# Altium PCB Digitalizador_RPi.PcbDoc (part 3 of 3) (continued)
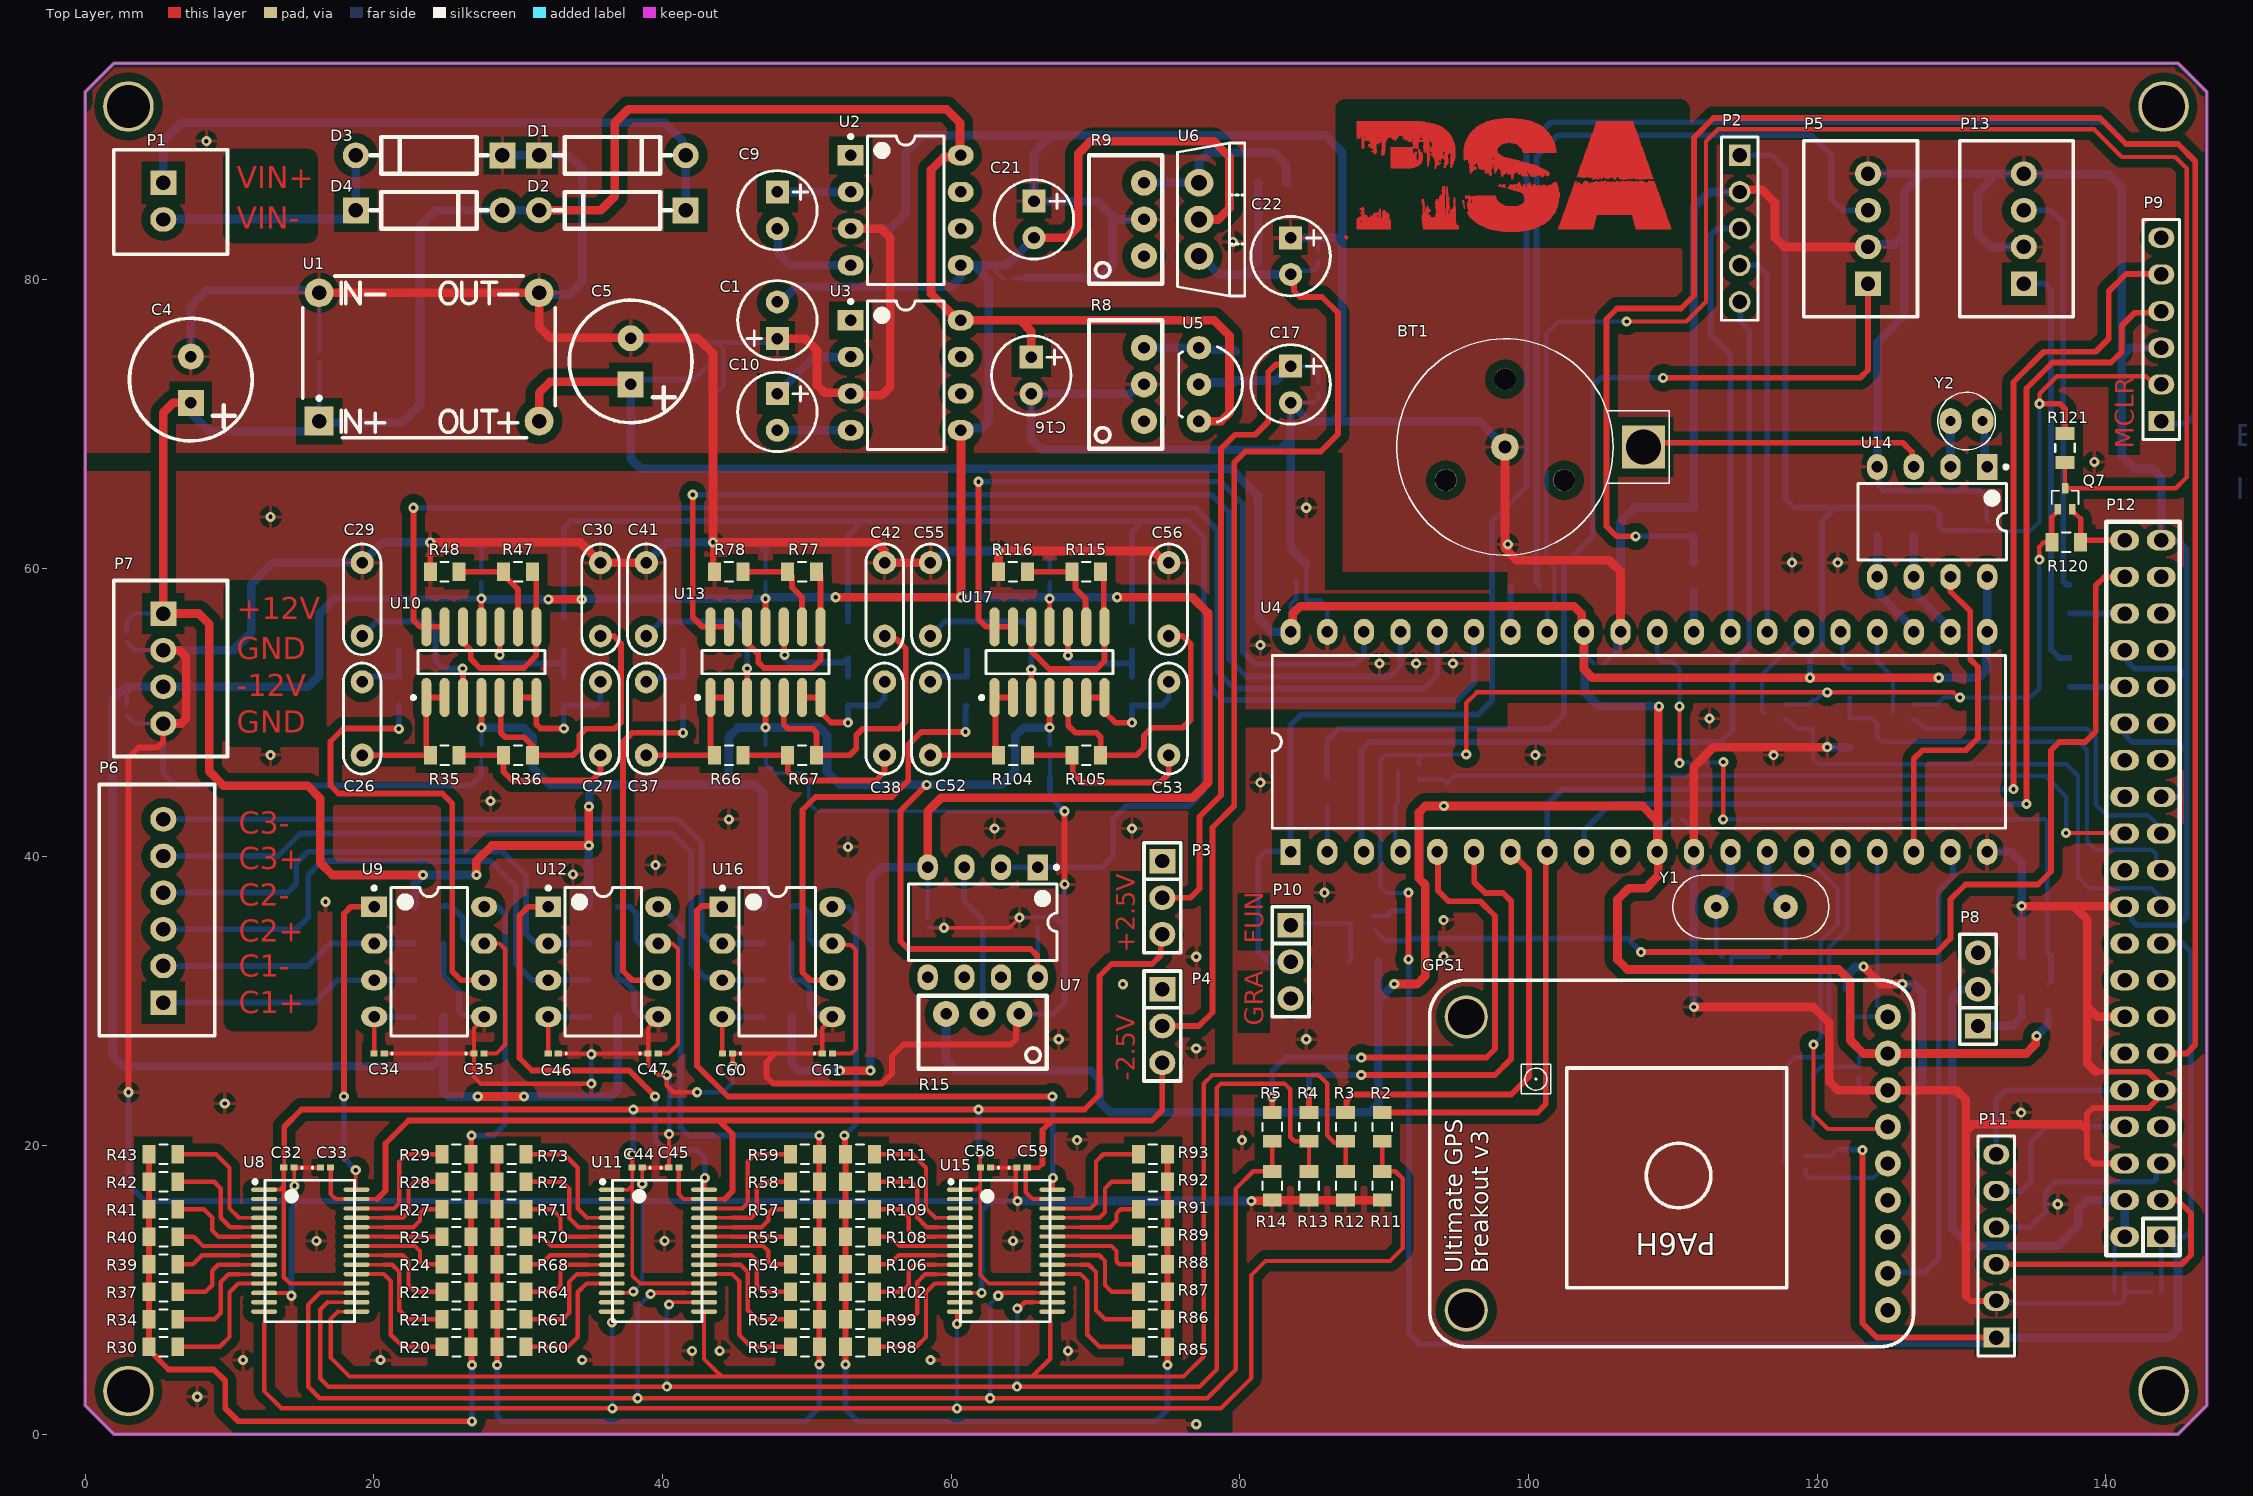
[diagram p0: Top Layer view]
## Nets (pads, with @x,y where several pads share a name; then routed paths per layer and width w, separated by ;. In a path a pad name is that pad's centre, name@x,y a point inside that pad or via, vN(x,y) a via of type N, cw(c..) or ccw(c..) an arc to the next point about the centre after c; other vN are vias at no path point) (continued)
94.303,85.783 94.455,85.783 ; 94.303,85.821 94.455,85.821 ; 94.303,85.859 94.455,85.859 ; 94.303,85.897 94.455,85.897 ; 94.303,86.278 94.417,86.278 ; 94.303,86.316 94.417,86.316 ; 94.303,86.354 94.379,86.354 ; 94.341,86.392 94.379,86.392 ; 94.341,86.431 94.379,86.431 ; 94.341,86.469 94.379,86.469 ; 94.341,87.993 94.379,87.993 ; 94.531,84.64 94.951,84.64 ; 94.531,84.678 94.951,84.678 ; 94.531,84.716 94.951,84.716 ; 94.531,84.754 94.951,84.754 ; 94.57,84.526 94.951,84.526 ; 94.57,84.564 94.951,84.564 ; 94.57,84.602 94.951,84.602 ; 94.57,84.792 94.951,84.792 ; 94.57,84.83 94.951,84.83 ; 94.57,87.878 94.722,87.878 ; 94.57,87.916 94.722,87.916 ; 94.57,88.069 94.798,88.069 ; 94.57,88.183 94.836,88.183 ; 94.57,88.221 94.836,88.221 ; 94.57,88.374 94.874,88.374 ; 94.57,88.412 94.912,88.412 ; 94.57,88.45 94.912,88.45 ; 94.57,88.793 94.912,88.793 ; 94.608,87.764 94.646,87.764 ; 94.608,87.802 94.684,87.802 ; 94.608,87.84 94.722,87.84 ; 94.608,87.955 94.76,87.955 ; 94.608,87.993 94.76,87.993 ; 94.608,88.031 94.798,88.031 ; 94.608,88.107 94.836,88.107 ; 94.608,88.145 94.836,88.145 ; 94.608,88.259 94.874,88.259 ; 94.608,88.297 94.874,88.297 ; 94.608,88.336 94.874,88.336 ; 94.608,88.488 94.912,88.488 ; 94.608,88.526 94.76,88.526 ; 94.608,88.564 94.722,88.564 ; 94.608,88.602 94.76,88.602 ; 94.608,88.64 94.76,88.64 ; 94.608,88.678 94.76,88.678 ; 94.608,88.717 94.798,88.717 ; 94.608,88.755 94.912,88.755 ; 94.646,84.868 94.951,84.868 ; 94.722,84.907 94.951,84.907 ; 94.76,84.945 94.951,84.945 ; 94.76,84.983 94.951,84.983 ; 94.798,85.021 94.951,85.021 ; 94.798,85.059 94.912,85.059 ; 94.798,85.44 94.912,85.44 ; 94.798,88.526 94.912,88.526 ; 94.798,88.564 94.912,88.564 ; 94.798,88.602 94.912,88.602 ; 94.798,88.64 94.912,88.64 ; 94.836,85.097 94.912,85.097 ; 94.836,85.135 94.912,85.135 ; 94.836,85.173 94.912,85.173 ; 94.836,85.211 94.912,85.211 ; 94.836,85.249 94.912,85.249 ; 94.836,85.288 94.912,85.288 ; 94.836,85.326 94.912,85.326 ; 94.836,85.364 94.912,85.364 ; 94.836,85.402 94.912,85.402 ; 94.836,85.478 94.912,85.478 ; 94.836,85.516 94.912,85.516 ; 94.836,85.554 94.912,85.554 ; 94.836,85.592 94.912,85.592 ; 94.836,85.63 94.912,85.63 ; 94.836,85.669 94.912,85.669 ; 94.836,88.678 94.912,88.678 ; 94.836,88.717 94.912,88.717 ; 95.408,85.402 95.56,85.402 ; 95.408,85.44 95.522,85.44 ; 95.408,85.478 95.522,85.478 ; 95.408,85.516 95.522,85.516 ; 95.446,85.288 95.56,85.288 ; 95.446,85.326 95.56,85.326 ; 95.446,85.364 95.56,85.364 ; 95.484,85.173 95.56,85.173 ; 95.484,85.211 95.56,85.211 ; 95.484,85.249 95.56,85.249 ; 95.522,85.021 95.598,85.021 ; 95.522,85.059 95.598,85.059 ; 95.522,85.097 95.598,85.097 ; 95.522,85.135 95.56,85.135 ; 95.522,88.374 95.827,88.374 ; 95.522,88.412 95.827,88.412 ; 95.522,88.45 96.208,88.45 ; 95.522,88.488 96.208,88.488 ; 95.522,88.526 98.303,88.526 ; 95.522,88.564 98.227,88.564 ; 95.522,88.602 98.113,88.602 ; 95.522,88.64 95.827,88.64 ; 95.522,88.678 97.999,88.678 ; 95.522,88.717 97.96,88.717 ; 95.522,88.755 97.922,88.755 ; 95.522,88.793 97.884,88.793 ; 95.522,88.831 97.884,88.831 ; 95.522,88.869 97.846,88.869 ; 95.522,88.907 97.846,88.907 ; 95.522,88.945 97.846,88.945 ; 95.522,88.983 97.846,88.983 ; 95.522,89.021 97.846,89.021 ; 95.522,89.059 97.846,89.059 ; 95.522,89.098 97.884,89.098 ; 95.56,84.945 95.598,84.945 ; 95.56,84.983 95.598,84.983 ; 95.56,88.259 95.598,88.259 ; 95.56,88.297 95.598,88.297 ; 95.56,88.336 95.751,88.336 ; 95.56,89.136 97.884,89.136 ; 95.56,89.174 97.884,89.174 ; 95.56,89.212 97.922,89.212 ; 95.56,89.25 97.96,89.25 ; 95.56,89.288 97.999,89.288 ; 95.598,89.326 98.037,89.326 ; 95.598,89.364 98.113,89.364 ; 95.598,89.402 98.189,89.402 ; 95.598,89.44 98.303,89.44 ; 95.636,85.669 95.751,85.669 ; 95.636,85.707 97.732,85.707 ; 95.636,85.745 97.732,85.745 ; 95.636,85.783 95.979,85.783 ; 95.636,85.821 95.979,85.821 ; 95.636,89.479 98.532,89.479 ; 95.636,89.517 101.77,89.517 ; 95.636,89.555 101.77,89.555 ; 95.674,85.63 95.713,85.63 ; 95.674,89.593 101.732,89.593 ; 95.674,89.631 101.732,89.631 ; 95.713,84.678 95.751,84.678 ; 95.713,89.669 101.694,89.669 ; 95.713,89.707 101.694,89.707 ; 95.713,89.745 101.656,89.745 ; 95.751,84.64 101.809,84.64 ; 95.751,85.059 101.999,85.059 ; 95.751,85.097 102.037,85.097 ; 95.751,85.135 98.456,85.135 ; 95.751,85.173 98.303,85.173 ; 95.751,85.211 98.189,85.211 ; 95.751,85.249 98.113,85.249 ; 95.751,85.288 98.075,85.288 ; 95.751,85.326 96.017,85.326 ; 95.751,89.783 101.656,89.783 ; 95.751,89.821 101.618,89.821 ; 95.789,84.602 101.77,84.602 ; 95.789,84.945 101.961,84.945 ; 95.789,84.983 101.961,84.983 ; 95.789,85.021 101.999,85.021 ; 95.789,85.364 96.017,85.364 ; 95.789,89.86 101.618,89.86 ; 95.827,84.526 101.732,84.526 ; 95.827,84.564 101.77,84.564 ; 95.827,84.678 101.847,84.678 ; 95.827,84.716 101.847,84.716 ; 95.827,84.754 101.885,84.754 ; 95.827,84.792 101.885,84.792 ; 95.827,84.83 101.923,84.83 ; 95.827,84.868 101.923,84.868 ; 95.827,84.907 101.923,84.907 ; 95.827,85.402 96.017,85.402 ; 95.827,85.44 96.017,85.44 ; 95.827,85.478 96.017,85.478 ; 95.827,85.516 96.017,85.516 ; 95.827,85.554 96.017,85.554 ; 95.827,85.592 97.808,85.592 ; 95.827,85.63 97.77,85.63 ; 95.827,85.669 97.77,85.669 ; 95.827,88.183 99.637,88.183 ; 95.827,88.221 99.446,88.221 ; 95.827,88.259 96.208,88.259 ; 95.827,88.297 96.208,88.297 ; 95.827,89.898 101.58,89.898 ; 95.827,89.936 101.58,89.936 ; 95.865,84.449 101.694,84.449 ; 95.865,84.487 101.694,84.487 ; 95.865,88.107 96.398,88.107 ; 95.865,88.145 96.398,88.145 ; 95.865,88.336 96.208,88.336 ; 95.865,88.374 96.208,88.374 ; 95.865,88.412 96.208,88.412 ; 95.865,88.64 98.037,88.64 ; 95.865,89.974 101.542,89.974 ; 95.865,90.012 101.504,90.012 ; 95.903,84.411 101.656,84.411 ; 95.903,87.802 96.208,87.802 ; 95.903,87.84 96.208,87.84 ; 95.903,88.031 96.36,88.031 ; 95.903,88.069 96.36,88.069 ; 95.903,90.05 101.466,90.05 ; 95.941,84.373 101.618,84.373 ; 95.941,87.497 96.094,87.497 ; 95.941,87.535 96.132,87.535 ; 95.941,87.574 96.17,87.574 ; 95.941,87.612 96.208,87.612 ; 95.941,87.65 96.398,87.65 ; 95.941,87.688 96.398,87.688 ; 95.941,87.726 96.398,87.726 ; 95.941,87.764 96.398,87.764 ; 95.941,87.878 96.208,87.878 ; 95.941,87.916 96.208,87.916 ; 95.941,87.955 96.208,87.955 ; 95.941,87.993 96.284,87.993 ; 95.941,90.088 101.466,90.088 ; 95.941,90.126 101.428,90.126 ; 95.979,84.335 101.58,84.335 ; 95.979,87.421 96.055,87.421 ; 95.979,87.459 96.055,87.459 ; 95.979,90.164 101.428,90.164 ; 96.017,84.297 101.542,84.297 ; 96.017,90.202 101.389,90.202 ; 96.055,84.259 101.542,84.259 ; 96.055,85.326 97.999,85.326 ; 96.055,85.364 97.96,85.364 ; 96.055,85.516 97.846,85.516 ; 96.055,85.554 97.808,85.554 ; 96.055,90.241 101.351,90.241 ; 96.094,84.221 101.504,84.221 ; 96.094,85.402 97.922,85.402 ; 96.094,85.44 97.884,85.44 ; 96.094,85.478 97.884,85.478 ; 96.094,85.783 97.732,85.783 ; 96.094,90.279 101.313,90.279 ; 96.094,90.317 101.275,90.317 ; 96.132,84.183 101.428,84.183 ; 96.132,90.355 101.237,90.355 ; 96.17,84.145 101.428,84.145 ; 96.208,84.106 101.389,84.106 ; 96.208,90.393 101.199,90.393 ; 96.208,90.431 101.161,90.431 ; 96.246,84.068 101.351,84.068 ; 96.246,87.802 96.398,87.802 ; 96.246,88.259 99.294,88.259 ; 96.246,88.297 97.541,88.297 ; 96.246,88.336 97.541,88.336 ; 96.246,88.374 97.541,88.374 ; 96.246,88.412 97.503,88.412 ; 96.246,88.45 97.503,88.45 ; 96.246,88.488 97.541,88.488 ; 96.284,87.84 96.36,87.84 ; 96.284,90.469 101.123,90.469 ; 96.322,84.03 101.275,84.03 ; 96.322,90.507 101.085,90.507 ; 96.36,83.992 101.237,83.992 ; 96.36,90.545 101.047,90.545 ; 96.398,85.821 97.732,85.821 ; 96.398,90.583 100.97,90.583 ; 96.436,83.954 101.199,83.954 ; 96.436,88.031 97.541,88.031 ; 96.436,88.069 100.056,88.069 ; 96.436,88.107 99.904,88.107 ; 96.436,88.145 99.751,88.145 ; 96.475,83.916 101.123,83.916 ; 96.475,87.916 97.541,87.916 ; 96.475,87.955 97.541,87.955 ; 96.475,87.993 97.541,87.993 ; 96.475,90.622 100.932,90.622 ; 96.513,87.802 97.503,87.802 ; 96.513,87.84 97.503,87.84 ; 96.513,87.878 97.541,87.878 ; 96.513,90.66 100.894,90.66 ; 96.551,83.878 101.085,83.878 ; 96.551,87.764 97.541,87.764 ; 96.589,83.84 101.008,83.84 ; 96.589,87.726 97.465,87.726 ; 96.589,90.698 100.818,90.698 ; 96.627,87.688 96.703,87.688 ; 96.627,90.736 100.78,90.736 ; 96.665,83.802 100.932,83.802 ; 96.741,83.764 100.856,83.764 ; 96.741,87.688 96.856,87.688 ; 96.741,90.774 100.704,90.774 ; 96.779,87.65 96.817,87.65 ; 96.779,90.812 100.627,90.812 ; 96.817,83.725 100.78,83.725 ; 96.894,83.687 100.704,83.687 ; 96.894,90.85 100.551,90.85 ; 96.932,87.65 97.427,87.65 ; 96.932,87.688 97.427,87.688 ; 96.97,83.649 100.627,83.649 ; 96.97,87.421 97.198,87.421 ; 96.97,87.459 97.427,87.459 ; 96.97,87.574 97.427,87.574 ; 96.97,87.612 97.427,87.612 ; 96.97,90.888 100.437,90.888 ; 97.008,87.497 97.427,87.497 ; 97.008,87.535 97.427,87.535 ; 97.046,90.926 100.323,90.926 ; 97.084,83.611 100.513,83.611 ; 97.16,90.964 100.246,90.964 ; 97.198,83.573 100.437,83.573 ; 97.237,87.421 97.465,87.421 ; 97.275,87.307 97.465,87.307 ; 97.275,87.345 97.465,87.345 ; 97.275,87.383 97.465,87.383 ; 97.275,91.003 100.094,91.003 ; 97.313,83.535 100.285,83.535 ; 97.313,87.231 97.427,87.231 ; 97.313,87.269 97.465,87.269 ; 97.389,91.041 99.98,91.041 ; 97.427,83.497 100.17,83.497 ; 97.579,87.764 97.922,87.764 ; 97.579,87.802 100.78,87.802 ; 97.579,87.84 100.704,87.84 ; 97.579,87.878 100.627,87.878 ; 97.579,87.916 100.551,87.916 ; 97.579,87.955 100.399,87.955 ; 97.579,87.993 100.323,87.993 ; 97.579,88.031 100.17,88.031 ; 97.579,88.297 99.142,88.297 ; 97.579,88.336 98.989,88.336 ; 97.579,88.488 98.418,88.488 ; 97.579,91.079 99.789,91.079 ; 97.618,83.459 100.018,83.459 ; 97.618,87.535 97.77,87.535 ; 97.618,87.574 97.808,87.574 ; 97.618,87.612 97.808,87.612 ; 97.618,87.65 97.884,87.65 ; 97.618,87.688 97.884,87.688 ; 97.618,87.726 97.922,87.726 ; 97.618,88.374 98.837,88.374 ; 97.618,88.412 98.684,88.412 ; 97.618,88.45 98.532,88.45 ; 97.656,87.421 97.732,87.421 ; 97.656,87.459 97.77,87.459 ; 97.656,87.497 97.77,87.497 ; 97.732,83.421 99.865,83.421 ; 97.732,91.117 99.637,91.117 ; 97.922,86.507 98.113,86.507 ; 97.922,86.545 98.113,86.545 ; 97.96,86.583 98.075,86.583 ; 97.96,87.726 98.608,87.726 ; 97.96,87.764 100.856,87.764 ; 97.999,86.469 98.38,86.469 ; 97.999,86.621 98.075,86.621 ; 97.999,87.688 98.57,87.688 ; 98.037,83.383 99.599,83.383 ; 98.037,87.612 101.161,87.612 ; 98.037,87.65 98.57,87.65 ; 98.037,91.155 99.294,91.155 ; 98.075,87.421 98.456,87.421 ; 98.075,87.459 98.494,87.459 ; 98.075,87.497 98.532,87.497 ; 98.075,87.535 98.532,87.535 ; 98.075,87.574 101.199,87.574 ; 98.113,87.231 98.265,87.231 ; 98.113,87.269 98.265,87.269 ; 98.113,87.307 98.303,87.307 ; 98.113,87.345 98.303,87.345 ; 98.113,87.383 98.418,87.383 ; 98.151,86.431 98.38,86.431 ; 98.151,87.154 98.227,87.154 ; 98.151,87.193 98.227,87.193 ; 98.189,86.507 98.38,86.507 ; 98.189,86.545 98.38,86.545 ; 98.227,86.583 98.38,86.583 ; 98.265,83.344 99.37,83.344 ; 98.265,86.621 98.341,86.621 ; 98.303,86.392 98.38,86.392 ; 98.341,87.345 98.38,87.345 ; 98.341,91.193 98.951,91.193 ; 98.532,87.421 99.103,87.421 ; 98.57,86.316 102.113,86.316 ; 98.57,86.354 99.103,86.354 ; 98.57,87.383 98.989,87.383 ; 98.57,87.459 99.142,87.459 ; 98.57,87.497 99.904,87.497 ; 98.57,87.535 99.904,87.535 ; 98.608,86.392 99.103,86.392 ; 98.608,87.345 98.722,87.345 ; 98.608,87.65 101.085,87.65 ; 98.646,86.431 98.875,86.431 ; 98.646,87.307 98.684,87.307 ; 98.646,87.688 101.008,87.688 ; 98.646,87.726 100.932,87.726 ; 98.684,86.469 98.875,86.469 ; 98.684,86.507 98.875,86.507 ; 98.684,86.545 98.875,86.545 ; 98.722,86.583 98.875,86.583 ; 98.761,86.278 102.113,86.278 ; 98.761,86.621 98.837,86.621 ; 98.761,87.345 98.989,87.345 ; 98.799,87.04 98.951,87.04 ; 98.799,87.078 98.951,87.078 ; 98.799,87.116 98.951,87.116 ; 98.799,87.154 98.951,87.154 ; 98.799,87.193 98.989,87.193 ; 98.799,87.231 98.951,87.231 ; 98.799,87.269 98.951,87.269 ; 98.799,87.307 98.951,87.307 ; 98.799,89.479 101.77,89.479 ; 98.837,87.002 98.951,87.002 ; 98.913,86.24 102.113,86.24 ; 98.913,86.431 99.103,86.431 ; 98.913,86.469 99.218,86.469 ; 98.913,86.507 99.256,86.507 ; 98.951,86.545 99.294,86.545 ; 98.951,86.583 99.103,86.583 ; 98.989,86.621 99.065,86.621 ; 99.027,89.44 101.809,89.44 ; 99.065,86.202 102.113,86.202 ; 99.142,86.354 99.827,86.354 ; 99.142,86.583 99.484,86.583 ; 99.18,86.164 102.113,86.164 ; 99.18,86.621 99.446,86.621 ; 99.18,89.402 101.809,89.402 ; 99.218,86.392 99.827,86.392 ; 99.218,86.659 99.446,86.659 ; 99.218,87.459 99.904,87.459 ; 99.218,89.364 101.809,89.364 ; 99.256,86.431 99.827,86.431 ; 99.256,86.469 99.561,86.469 ; 99.256,87.421 99.904,87.421 ; 99.294,85.135 102.037,85.135 ; 99.294,86.507 99.332,86.507 ; 99.294,86.697 99.446,86.697 ; 99.294,87.383 99.904,87.383 ; 99.294,89.326 101.847,89.326 ; 99.332,86.126 102.113,86.126 ; 99.332,86.545 99.446,86.545 ; 99.332,86.735 99.408,86.735 ; 99.332,87.345 99.446,87.345 ; 99.332,89.288 101.847,89.288 ; 99.37,86.507 99.484,86.507 ; 99.37,87.307 99.408,87.307 ; 99.408,85.173 102.037,85.173 ; 99.408,86.088 102.113,86.088 ; 99.408,89.212 101.847,89.212 ; 99.408,89.25 101.847,89.25 ; 99.446,89.174 101.885,89.174 ; 99.484,86.05 102.151,86.05 ; 99.484,87.269 99.942,87.269 ; 99.484,87.307 99.942,87.307 ; 99.484,89.136 101.885,89.136 ; 99.523,85.211 102.037,85.211 ; 99.523,87.231 99.942,87.231 ; 99.523,87.345 99.942,87.345 ; 99.523,89.059 101.885,89.059 ; 99.523,89.098 101.885,89.098 ; 99.561,85.249 102.075,85.249 ; 99.561,86.011 102.151,86.011 ; 99.561,87.193 99.675,87.193 ; 99.561,88.945 101.923,88.945 ; 99.561,88.983 101.923,88.983 ; 99.561,89.021 101.923,89.021 ; 99.599,85.973 102.151,85.973 ; 99.599,88.869 101.923,88.869 ; 99.599,88.907 101.923,88.907 ; 99.637,85.288 102.075,85.288 ; 99.637,85.935 102.151,85.935 ; 99.637,86.469 99.789,86.469 ; 99.637,86.545 99.789,86.545 ; 99.637,86.583 99.789,86.583 ; 99.637,88.831 101.923,88.831 ; 99.675,85.326 102.075,85.326 ; 99.675,85.364 102.075,85.364 ; 99.675,85.859 102.151,85.859 ; 99.675,85.897 102.151,85.897 ; 99.675,86.507 99.789,86.507 ; 99.675,86.621 99.751,86.621 ; 99.713,85.402 102.113,85.402 ; 99.713,85.821 102.151,85.821 ; 99.751,85.44 102.113,85.44 ; 99.751,85.478 102.113,85.478 ; 99.751,85.516 102.113,85.516 ; 99.751,85.554 102.113,85.554 ; 99.751,85.592 102.113,85.592 ; 99.751,85.63 102.113,85.63 ; 99.751,85.669 102.113,85.669 ; 99.751,85.707 102.151,85.707 ; 99.751,85.745 102.151,85.745 ; 99.751,85.783 102.151,85.783 ; 99.827,87.193 99.904,87.193 ; 99.865,86.354 102.075,86.354 ; 99.865,86.392 102.075,86.392 ; 99.865,86.431 100.856,86.431 ; 99.865,86.469 100.246,86.469 ; 99.865,86.507 100.246,86.507 ; 99.865,86.545 99.98,86.545 ; 99.865,86.583 99.98,86.583 ; 99.904,86.621 99.98,86.621 ; 99.98,87.421 101.428,87.421 ; 99.98,87.459 101.389,87.459 ; 99.98,87.497 101.313,87.497 ; 99.98,87.535 101.275,87.535 ; 100.018,86.583 100.208,86.583 ; 100.018,86.621 100.17,86.621 ; 100.018,86.659 100.17,86.659 ; 100.056,86.545 100.208,86.545 ; 100.056,86.697 100.132,86.697 ; 100.056,87.383 101.466,87.383 ; 100.094,87.345 101.161,87.345 ; 100.132,87.231 100.704,87.231 ; 100.132,87.269 100.742,87.269 ; 100.132,87.307 100.78,87.307 ; 100.17,87.193 100.399,87.193 ; 100.246,87.154 100.361,87.154 ; 100.323,86.469 100.856,86.469 ; 100.323,86.507 100.551,86.507 ; 100.323,86.545 100.513,86.545 ; 100.323,86.583 100.475,86.583 ; 100.323,86.621 100.437,86.621 ; 100.437,87.193 100.551,87.193 ; 100.475,87.154 100.551,87.154 ; 100.589,86.507 100.894,86.507 ; 100.627,86.545 100.856,86.545 ; 100.818,87.231 101.085,87.231 ; 100.818,87.269 101.085,87.269 ; 100.818,87.307 101.085,87.307 ; 100.856,87.193 101.047,87.193 ; 100.894,86.431 102.075,86.431 ; 100.894,87.154 101.008,87.154 ; 100.932,86.469 102.037,86.469 ; 100.932,87.116 100.97,87.116 ; 100.97,86.507 101.199,86.507 ; 100.97,86.545 101.161,86.545 ; 101.008,86.583 101.123,86.583 ; 101.199,87.231 101.389,87.231 ; 101.199,87.269 101.389,87.269 ; 101.237,87.307 101.389,87.307 ; 101.237,87.345 101.389,87.345 ; 101.275,87.193 101.351,87.193 ; 101.313,86.507 102.037,86.507 ; 101.351,86.545 102.037,86.545 ; 101.428,86.583 101.504,86.583 ; 101.428,87.345 101.466,87.345 ; 101.58,86.583 101.999,86.583 ; 101.618,86.621 101.999,86.621 ; 101.656,86.659 101.999,86.659 ; 101.732,86.697 101.961,86.697 ; 101.77,86.735 101.961,86.735 ; 102.075,83.535 104.476,83.535 ; 102.075,83.573 104.476,83.573 ; 102.113,83.611 104.476,83.611 ; 102.113,83.649 104.514,83.649 ; 102.113,83.687 104.514,83.687 ; 102.113,83.725 104.514,83.725 ; 102.151,83.764 104.514,83.764 ; 102.151,83.802 104.552,83.802 ; 102.19,83.84 104.552,83.84 ; 102.19,83.878 104.552,83.878 ; 102.19,83.916 104.59,83.916 ; 102.228,83.954 104.59,83.954 ; 102.228,83.992 104.59,83.992 ; 102.228,84.03 104.59,84.03 ; 102.266,84.068 104.628,84.068 ; 102.266,84.106 104.628,84.106 ; 102.304,84.145 104.628,84.145 ; 102.304,84.183 104.666,84.183 ; 102.304,84.221 104.666,84.221 ; 102.342,84.259 104.666,84.259 ; 102.342,84.297 104.666,84.297 ; 102.342,84.335 104.704,84.335 ; 102.38,84.373 104.704,84.373 ; 102.38,84.411 104.704,84.411 ; 102.38,84.449 104.704,84.449 ; 102.418,84.487 104.742,84.487 ; 102.418,84.526 109.543,84.526 ; 102.456,84.564 109.505,84.564 ; 102.456,84.602 109.505,84.602 ; 102.456,84.64 109.505,84.64 ; 102.456,84.678 109.505,84.678 ; 102.494,84.716 109.467,84.716 ; 102.494,84.754 109.467,84.754 ; 102.532,84.792 109.429,84.792 ; 102.532,84.83 109.429,84.83 ; 102.532,84.868 109.429,84.868 ; 102.571,84.907 109.39,84.907 ; 102.571,84.945 109.39,84.945 ; 102.571,84.983 109.39,84.983 ; 102.609,85.021 109.352,85.021 ; 102.609,85.059 109.352,85.059 ; 102.647,85.097 109.314,85.097 ; 102.647,85.135 109.314,85.135 ; 102.647,85.173 109.314,85.173 ; 102.647,85.211 109.276,85.211 ; 102.685,85.249 109.276,85.249 ; 102.685,85.288 109.276,85.288 ; 102.723,85.326 109.238,85.326 ; 102.723,85.364 109.238,85.364 ; 102.723,85.402 109.238,85.402 ; 102.761,85.44 109.2,85.44 ; 102.761,85.478 109.2,85.478 ; 102.761,85.516 109.162,85.516 ; 102.799,85.554 109.162,85.554 ; 102.799,85.592 109.162,85.592 ; 102.799,85.63 109.162,85.63 ; 102.837,85.669 109.124,85.669 ; 102.837,85.707 109.124,85.707 ; 102.875,85.745 109.124,85.745 ; 102.875,85.783 109.086,85.783 ; 102.875,85.821 109.086,85.821 ; 102.913,85.859 109.048,85.859 ; 102.913,85.897 109.048,85.897 ; 102.913,85.935 109.048,85.935 ; 102.952,85.973 109.009,85.973 ; 102.952,86.011 109.009,86.011 ; 102.952,86.05 109.009,86.05 ; 102.99,86.088 108.971,86.088 ; 102.99,86.126 108.971,86.126 ; 102.99,86.164 108.933,86.164 ; 103.028,86.202 108.933,86.202 ; 103.028,86.24 108.933,86.24 ; 103.028,86.278 108.933,86.278 ; 103.066,86.316 108.895,86.316 ; 103.066,86.354 108.895,86.354 ; 103.104,86.392 108.857,86.392 ; 103.104,86.431 108.857,86.431 ; 103.104,86.469 108.857,86.469 ; 103.142,86.507 108.819,86.507 ; 103.142,86.545 103.675,86.545 ; 103.142,86.583 103.637,86.583 ; 103.18,86.621 103.599,86.621 ; 103.18,86.659 103.599,86.659 ; 103.218,86.697 103.294,86.697 ; 103.218,86.735 103.333,86.735 ; 103.218,86.773 103.333,86.773 ; 103.256,86.812 103.294,86.812 ; 103.333,87.116 103.409,87.116 ; 103.371,87.154 103.447,87.154 ; 103.371,87.193 103.447,87.193 ; 103.371,87.231 108.59,87.231 ; 103.409,86.697 103.561,86.697 ; 103.409,87.269 108.552,87.269 ; 103.409,87.307 108.552,87.307 ; 103.447,86.735 103.523,86.735 ; 103.447,87.345 108.514,87.345 ; 103.447,87.383 108.514,87.383 ; 103.447,87.421 108.514,87.421 ; 103.485,87.193 108.59,87.193 ; 103.485,87.459 108.476,87.459 ; 103.485,87.497 108.476,87.497 ; 103.485,87.535 108.476,87.535 ; 103.523,87.154 108.59,87.154 ; 103.523,87.574 108.438,87.574 ; 103.523,87.612 108.438,87.612 ; 103.523,87.65 108.4,87.65 ; 103.561,87.116 104.095,87.116 ; 103.561,87.688 108.4,87.688 ; 103.561,87.726 108.4,87.726 ; 103.561,87.764 108.362,87.764 ; 103.599,87.802 108.362,87.802 ; 103.599,87.84 108.362,87.84 ; 103.599,87.878 108.324,87.878 ; 103.637,87.916 108.324,87.916 ; 103.637,87.955 108.324,87.955 ; 103.675,86.621 108.781,86.621 ; 103.675,87.993 108.286,87.993 ; 103.675,88.031 108.286,88.031 ; 103.675,88.069 108.247,88.069 ; 103.714,86.545 108.819,86.545 ; 103.714,86.583 108.819,86.583 ; 103.714,86.659 106.152,86.659 ; 103.714,88.107 108.247,88.107 ; 103.714,88.145 108.247,88.145 ; 103.714,88.183 108.247,88.183 ; 103.752,87.078 103.904,87.078 ; 103.752,88.221 108.209,88.221 ; 103.752,88.259 108.209,88.259 ; 103.79,86.697 104.171,86.697 ; 103.79,88.297 108.171,88.297 ; 103.79,88.336 108.171,88.336 ; 103.79,88.374 108.171,88.374 ; 103.828,86.735 104.171,86.735 ; 103.828,88.412 108.133,88.412 ; 103.828,88.45 108.133,88.45 ; 103.828,88.488 108.133,88.488 ; 103.866,86.773 104.056,86.773 ; 103.866,88.526 108.095,88.526 ; 103.866,88.564 108.095,88.564 ; 103.866,88.602 108.095,88.602 ; 103.904,86.812 104.056,86.812 ; 103.904,88.64 108.057,88.64 ; 103.904,88.678 108.057,88.678 ; 103.904,88.717 108.057,88.717 ; 103.942,86.85 104.018,86.85 ; 103.942,88.755 108.019,88.755 ; 103.942,88.793 108.019,88.793 ; 103.98,88.831 108.019,88.831 ; 103.98,88.869 107.981,88.869 ; 103.98,88.907 107.981,88.907 ; 104.018,88.945 107.943,88.945 ; 104.018,88.983 107.943,88.983 ; 104.018,89.021 107.943,89.021 ; 104.056,89.059 107.905,89.059 ; 104.056,89.098 107.905,89.098 ; 104.095,89.136 107.905,89.136 ; 104.095,89.174 107.866,89.174 ; 104.095,89.212 107.866,89.212 ; 104.095,89.25 107.828,89.25 ; 104.133,87.116 106.076,87.116 ; 104.133,89.288 107.828,89.288 ; 104.133,89.326 107.828,89.326 ; 104.133,89.364 107.79,89.364 ; 104.171,89.402 107.79,89.402 ; 104.171,89.44 107.79,89.44 ; 104.171,89.479 107.752,89.479 ; 104.209,89.517 107.752,89.517 ; 104.209,89.555 107.752,89.555 ; 104.247,87.078 104.933,87.078 ; 104.247,89.593 107.714,89.593 ; 104.247,89.631 107.714,89.631 ; 104.247,89.669 107.714,89.669 ; 104.285,86.697 105.314,86.697 ; 104.285,89.707 107.676,89.707 ; 104.285,89.745 107.676,89.745 ; 104.285,89.783 107.638,89.783 ; 104.323,89.821 107.638,89.821 ; 104.323,89.86 107.638,89.86 ; 104.361,89.898 107.6,89.898 ; 104.361,89.936 107.6,89.936 ; 104.361,89.974 107.6,89.974 ; 104.361,90.012 107.562,90.012 ; 104.399,90.05 107.562,90.05 ; 104.399,90.088 107.562,90.088 ; 104.437,86.735 105.314,86.735 ; 104.437,86.964 104.514,86.964 ; 104.437,87.002 104.552,87.002 ; 104.437,87.04 104.628,87.04 ; 104.437,90.126 107.524,90.126 ; 104.437,90.164 107.524,90.164 ; 104.437,90.202 107.485,90.202 ; 104.476,90.241 107.485,90.241 ; 104.476,90.279 107.485,90.279 ; 104.476,90.317 107.485,90.317 ; 104.514,90.355 107.447,90.355 ; 104.514,90.393 107.447,90.393 ; 104.552,86.773 104.78,86.773 ; 104.552,90.431 107.447,90.431 ; 104.552,90.469 107.409,90.469 ; 104.552,90.507 107.409,90.507 ; 104.59,90.545 107.371,90.545 ; 104.59,90.583 107.371,90.583 ; 104.59,90.622 107.371,90.622 ; 104.628,90.66 107.333,90.66 ; 104.628,90.698 107.333,90.698 ; 104.666,90.736 107.295,90.736 ; 104.666,90.774 107.295,90.774 ; 104.666,90.812 107.295,90.812 ; 104.666,90.85 107.257,90.85 ; 104.704,86.812 104.78,86.812 ; 104.704,87.002 104.857,87.002 ; 104.704,87.04 104.895,87.04 ; 104.704,90.888 107.257,90.888 ; 104.704,90.926 107.257,90.926 ; 104.704,90.964 107.257,90.964 ; 104.895,86.773 105.352,86.773 ; 105.009,86.812 105.123,86.812 ; 105.009,87.04 105.123,87.04 ; 105.009,87.078 105.161,87.078 ; 105.047,87.002 105.085,87.002 ; 105.199,86.812 105.352,86.812 ; 105.238,86.85 105.352,86.85 ; 105.238,87.078 105.619,87.078 ; 105.352,87.04 105.58,87.04 ; 105.39,86.697 106.152,86.697 ; 105.39,86.735 106.152,86.735 ; 105.39,86.773 105.657,86.773 ; 105.695,87.078 105.809,87.078 ; 105.847,86.773 105.923,86.773 ; 105.885,86.812 105.923,86.812 ; 105.885,87.04 106.076,87.04 ; 105.885,87.078 106.076,87.078 ; 105.923,87.002 106.038,87.002 ; 106.038,86.773 106.152,86.773 ; 106.076,86.812 106.19,86.812 ; 106.114,86.85 106.152,86.85 ; 106.19,86.659 108.781,86.659 ; 106.19,86.697 108.743,86.697 ; 106.228,86.735 108.057,86.735 ; 106.228,87.116 108.59,87.116 ; 106.266,86.773 107.104,86.773 ; 106.266,87.078 106.99,87.078 ; 106.304,87.04 106.99,87.04 ; 106.342,87.002 106.419,87.002 ; 106.381,86.812 106.571,86.812 ; 106.495,86.85 106.533,86.85 ; 106.495,87.002 106.8,87.002 ; 106.533,86.964 106.647,86.964 ; 106.723,86.812 106.914,86.812 ; 106.876,87.002 106.952,87.002 ; 106.99,86.812 107.104,86.812 ; 106.99,86.85 107.066,86.85 ; 107.028,87.078 107.219,87.078 ; 107.066,87.04 107.219,87.04 ; 107.143,87.002 107.181,87.002 ; 107.181,84.411 109.581,84.411 ; 107.181,84.449 109.581,84.449 ; 107.181,84.487 109.543,84.487 ; 107.181,86.773 108.019,86.773 ; 107.219,84.297 109.619,84.297 ; 107.219,84.335 109.619,84.335 ; 107.219,84.373 109.581,84.373 ; 107.219,86.812 107.295,86.812 ; 107.257,84.145 109.695,84.145 ; 107.257,84.183 109.657,84.183 ; 107.257,84.221 109.657,84.221 ; 107.257,84.259 109.619,84.259 ; 107.257,87.078 108.628,87.078 ; 107.295,84.03 109.733,84.03 ; 107.295,84.068 109.695,84.068 ; 107.295,84.106 109.695,84.106 ; 107.333,83.878 109.771,83.878 ; 107.333,83.916 109.771,83.916 ; 107.333,83.954 109.733,83.954 ; 107.333,83.992 109.733,83.992 ; 107.333,87.04 108.628,87.04 ; 107.371,83.764 109.81,83.764 ; 107.371,83.802 109.81,83.802 ; 107.371,83.84 109.771,83.84 ; 107.409,83.649 109.848,83.649 ; 107.409,83.687 109.848,83.687 ; 107.409,83.725 109.81,83.725 ; 107.409,86.812 107.485,86.812 ; 107.409,87.002 108.133,87.002 ; 107.447,83.535 109.886,83.535 ; 107.447,83.573 109.886,83.573 ; 107.447,83.611 109.848,83.611 ; 107.676,86.812 107.981,86.812 ; 107.714,86.85 107.79,86.85 ; 108.247,86.735 108.743,86.735 ; 108.247,86.773 108.743,86.773 ; 108.286,86.812 108.667,86.812 ; 108.324,86.85 108.4,86.85 ; 108.514,87.002 108.59,87.002
  Top Layer w0.254: 87.33,82.97 87.4,82.9

## Polygon pours and split planes (outlines as drawn)
GND on Top Layer "PlanoTopDigital" (solid, remove dead copper, pour order 26): 0.145,68.01 0.145,92.775 2.05,94.68 144.925,94.68 146.83,92.775 146.83,1.97 144.925,0.065 79.52,0.065 79.52,48.96 98.57,48.96 98.57,59.755 87.14,59.755 87.14,68.01
GND on Top Layer "PlanoTopAnalog" (solid, remove dead copper, pour order 16): 0.145,66.74 85.87,66.74 85.87,58.485 97.3,58.485 97.3,50.23 78.25,50.23 78.25,0.065 2.05,0.065 0.145,1.97
GND on Top Layer "PlanoTopAnalog" (solid, pour order 4): 0.145,66.105
no net on Top Layer "Top Layer-No Net" (solid, pour order 0): 0.1,66.6
GND on Bottom Layer "PlanoBottomAnalog" (solid, remove dead copper, pour order 24): 0.145,68.01 0.145,92.775 2.05,94.68 144.925,94.68 146.83,92.775 146.83,1.97 144.925,0.065 79.52,0.065 79.52,48.96 98.57,48.96 98.57,59.755 87.14,59.755 87.14,68.01
GND on Bottom Layer "PlanoBottomAnalog" (solid, remove dead copper, pour order 22): 0.145,66.74 85.87,66.74 85.87,59.12 86.505,58.485 97.3,58.485 97.3,50.23 78.25,50.23 78.25,0.065 2.05,0.065 0.145,1.97
GND on Bottom Layer "PlanoBottomAnalog" (solid, pour order 20): -0.49,67.375

## Keep-outs
Keep-Out Layer:
  the board outline again, w0.254

## Other copper
Top Layer:
  text "VIN+" at 10.495,86.329 h1.52
  text "VIN-" at 10.495,83.535 h1.52
  text "MCLR" at 141.94,68.295 h1.3 r90
  text "+12V" at 10.495,56.484 h1.52
  text "GND" at 10.495,53.69 h1.52
  text "-12V" at 10.495,51.15 h1.52
  text "GND" at 10.495,48.61 h1.52
  text "C3-" at 10.654,41.625 h1.52
  text "C3+" at 10.654,39.135 h1.52
  text "C2-" at 10.654,36.615 h1.52
  text "C2+" at 10.654,34.115 h1.52
  text "FUN" at 81.615,34.005 h1.3 r90
  text "+2.5V" at 72.725,33.37 h1.3 r90
  text "C1-" at 10.654,31.7 h1.52
  text "C1+" at 10.654,29.165 h1.52
  text "GRA" at 81.615,28.29 h1.3 r90
  text "-2.5V" at 72.725,24.48 h1.3 r90
Bottom Layer:
  text "Evitar pistas cercanas a los pines" at 149,68.459 h1.52
  text "I2C y GND del RTC (1, 2 y 4)" at 149,64.786 h1.52

## Silkscreen, mask and mechanical layers (free items; w line width, h text height)
Top Solder:
  text "VIN+" at 10.495,86.329 h1.52
  text "VIN-" at 10.495,83.535 h1.52
  text "MCLR" at 141.94,68.295 h1.3 r90
  text "+12V" at 10.495,56.484 h1.52
  text "GND" at 10.495,53.69 h1.52
  text "-12V" at 10.495,51.15 h1.52
  text "GND" at 10.495,48.61 h1.52
  text "C3-" at 10.654,41.625 h1.52
  text "C3+" at 10.654,39.135 h1.52
  text "C2-" at 10.654,36.615 h1.52
  text "C2+" at 10.654,34.115 h1.52
  text "FUN" at 81.615,34.005 h1.3 r90
  text "+2.5V" at 72.725,33.37 h1.3 r90
  text "C1-" at 10.654,31.7 h1.52
  text "C1+" at 10.654,29.165 h1.52
  text "GRA" at 81.615,28.29 h1.3 r90
  text "-2.5V" at 72.725,24.48 h1.3 r90
Mechanical 13:
  the board outline again, w0.254

## Text inside footprints (layer, text, board x,y; h text height)
GPS1: Top Overlay "Ultimate GPS / Breakout v3" at 97.214,11.145 h1.2 r90; Top Overlay "PA6H" at 112.962,13.939 h1.52 r180